# Altium PCB PCB_TEST.PcbDoc (part 3 of 6) (continued)
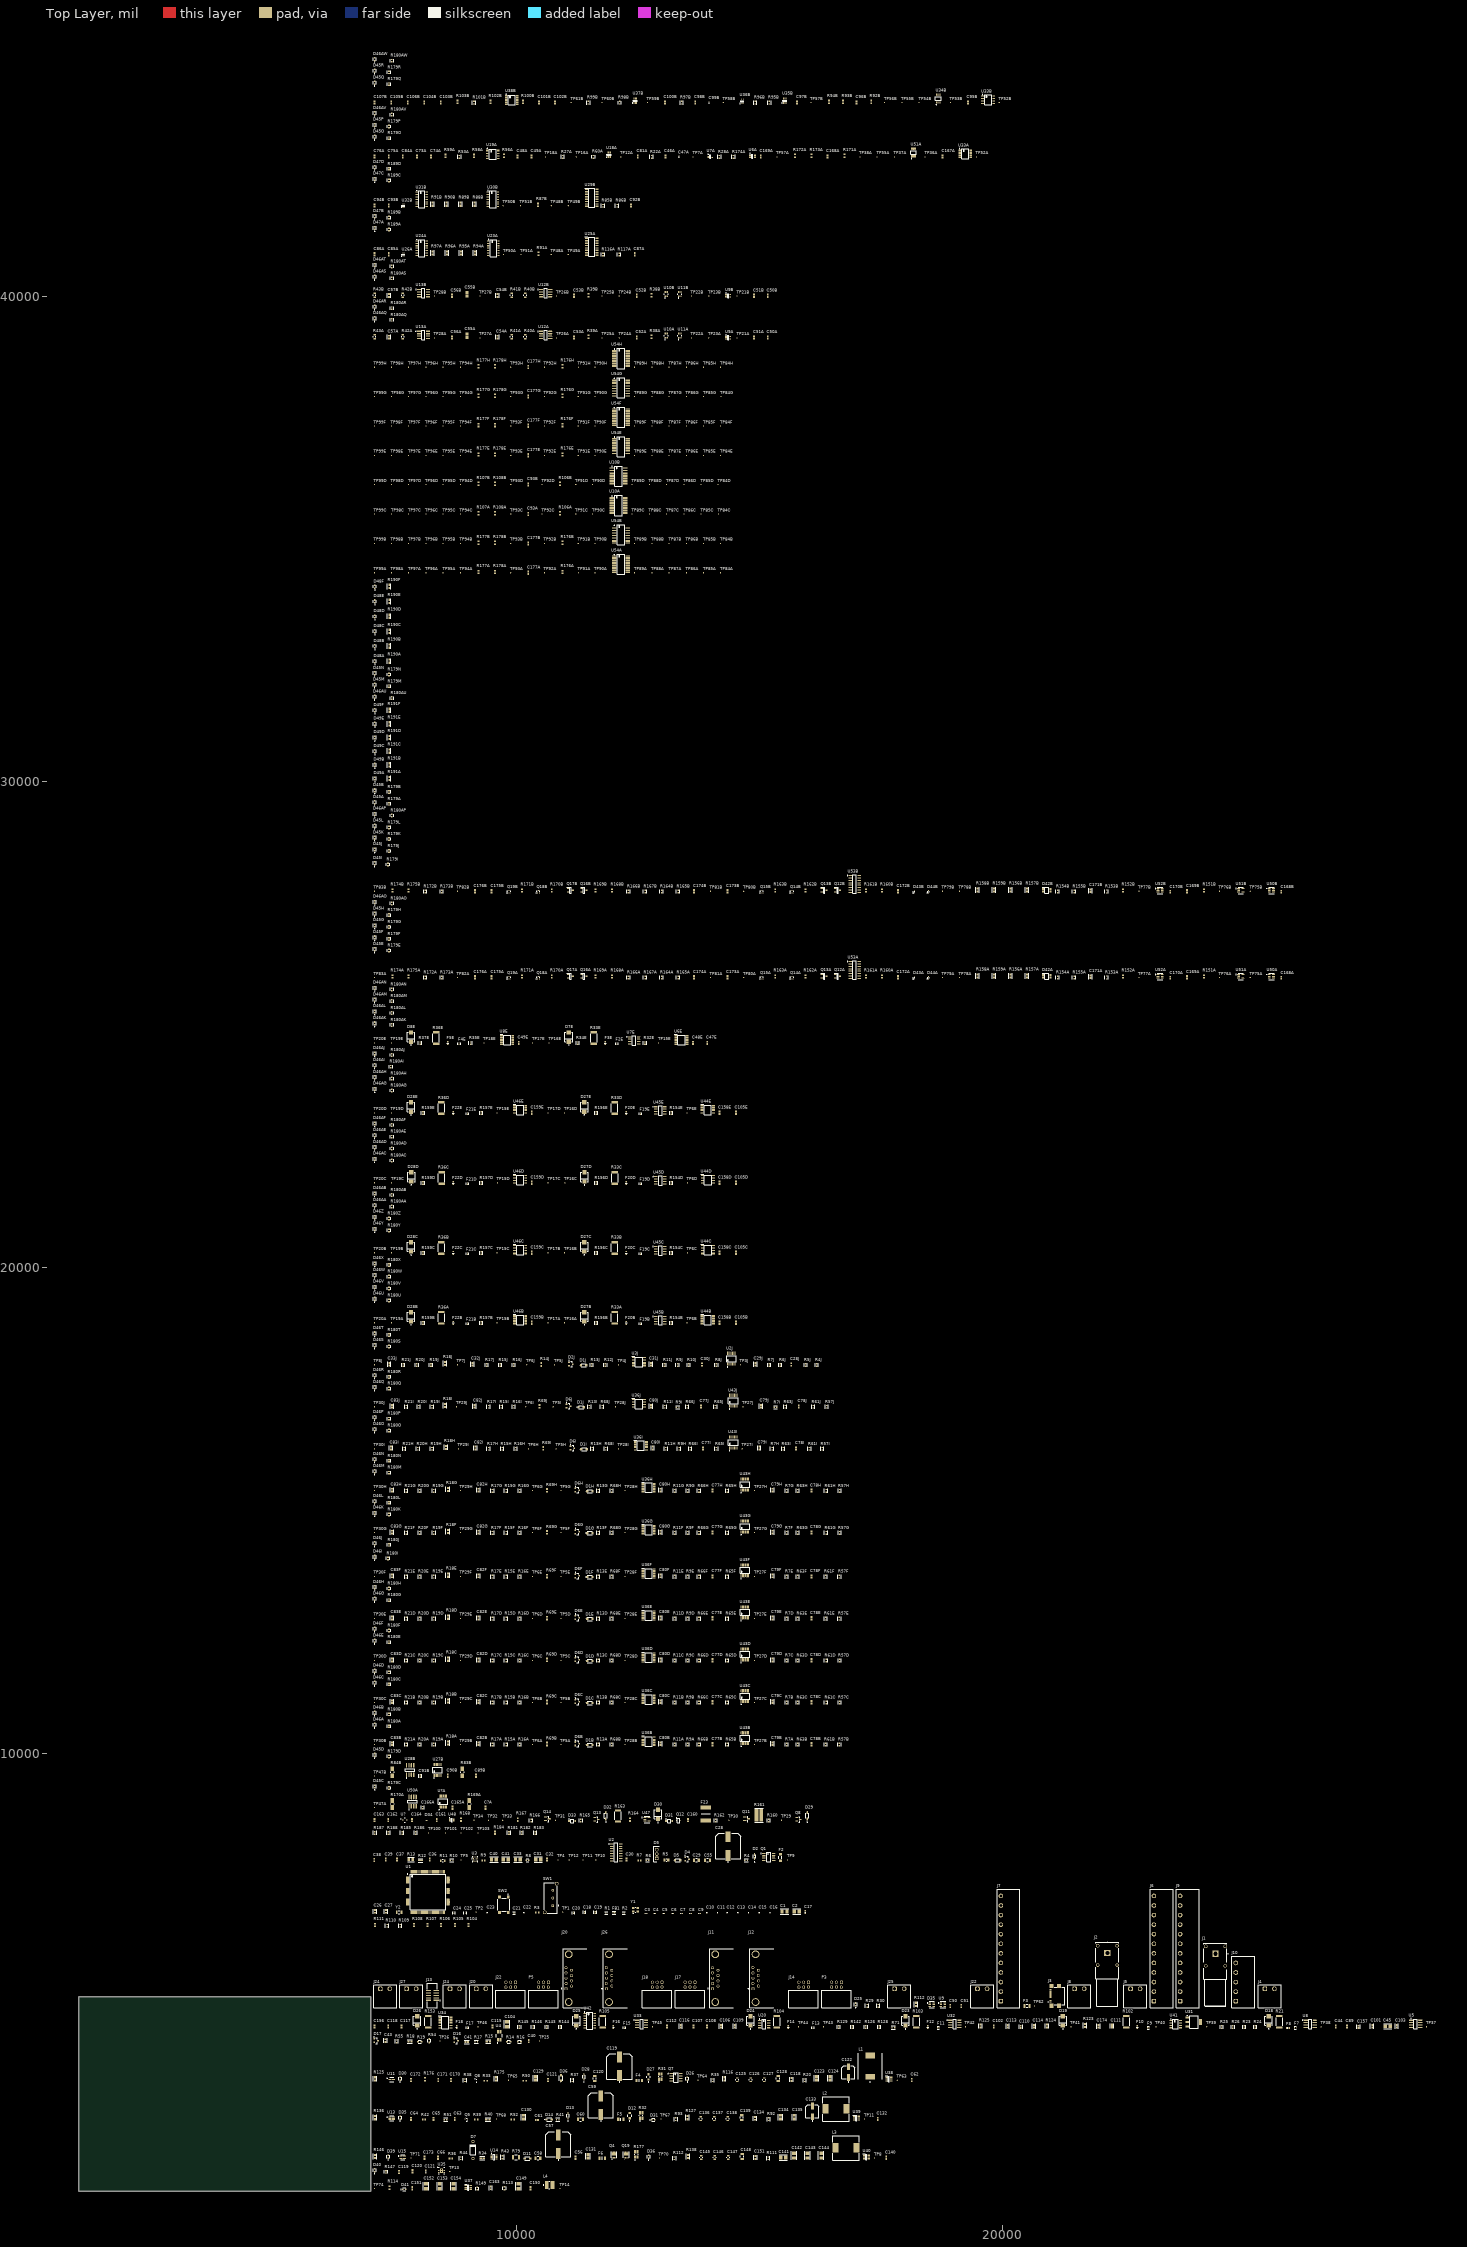
[diagram p0: Top Layer view]
## Components (designator, comment, footprint, x,y, rotation, side; value= is the part's Value field where it differs from the comment) (continued)
R180Y "CRCW0603680RJNEA" FP-CRCW0603-e3-IPC_C 7380,20770 r90 top value=680 (schematic designator R180)
R180Z "CRCW0603680RJNEA" FP-CRCW0603-e3-IPC_C 7380,21015 r90 top value=680 (schematic designator R180)
R181 "RT0603BRD0710K2L" FP-RT0603-IPC_C 9850,8370 r90 top value=10.2k
R182 "RT0603BRD0711K5L" FP-RT0603-IPC_C 10110,8370 r90 top value=11.5k
R183 "RT0603BRD0711K5L" FP-RT0603-IPC_C 10390,8370 r90 top value=11.5k
R184 "ERA-3AEB1132V" RESC1608X55X30NL20T20 9560,8375 r90 top value=11.3k
R185 "RT0603BRD073K4L" FP-RT0603-IPC_C 7650,8370 r90 top value=3.4k
R186 "RT0603BRD076K98L" FP-RT0603-IPC_C 7930,8370 r90 top value=6.98k
R187 "RT0603BRD073K57L" FP-RT0603-IPC_C 7090,8370 r90 top value=3.57k
R188 "RT0603BRD0710K2L" FP-RT0603-IPC_C 7370,8370 r90 top value=10.2k
R189A "CRCW0603680RJNEA" FP-CRCW0603-e3-IPC_C 7380,41370 r90 top value=680 (schematic designator R189)
R189B "CRCW0603680RJNEA" FP-CRCW0603-e3-IPC_C 7380,41615 r90 top value=680 (schematic designator R189)
R189C "CRCW0603680RJNEA" FP-CRCW0603-e3-IPC_C 7380,42380 r90 top value=680 (schematic designator R189)
R189D "CRCW0603680RJNEA" FP-CRCW0603-e3-IPC_C 7380,42620 r90 top value=680 (schematic designator R189)
R190A "CRGCQ0603J470R" FP-CRGCQ0603-IPC_A 7385,32485 r90 top value=470 (schematic designator R190)
R190B "CRGCQ0603J470R" FP-CRGCQ0603-IPC_A 7385,32795 r90 top value=470 (schematic designator R190)
R190C "CRGCQ0603J470R" FP-CRGCQ0603-IPC_A 7385,33100 r90 top value=470 (schematic designator R190)
R190D "CRGCQ0603J470R" FP-CRGCQ0603-IPC_A 7385,33410 r90 top value=470 (schematic designator R190)
R190E "CRGCQ0603J470R" FP-CRGCQ0603-IPC_A 7385,33715 r90 top value=470 (schematic designator R190)
R190F "CRGCQ0603J470R" FP-CRGCQ0603-IPC_A 7385,34025 r90 top value=470 (schematic designator R190)
R191A "CRGCQ0603F180R" FP-CRGCQ0603-IPC_A 7385,30070 r90 top value=180 (schematic designator R191)
R191B "CRGCQ0603F180R" FP-CRGCQ0603-IPC_A 7385,30350 r90 top value=180 (schematic designator R191)
R191C "CRGCQ0603F180R" FP-CRGCQ0603-IPC_A 7385,30635 r90 top value=180 (schematic designator R191)
R191D "CRGCQ0603F180R" FP-CRGCQ0603-IPC_A 7385,30915 r90 top value=180 (schematic designator R191)
R191E "CRGCQ0603F180R" FP-CRGCQ0603-IPC_A 7385,31195 r90 top value=180 (schematic designator R191)
R191F "CRGCQ0603F180R" FP-CRGCQ0603-IPC_A 7385,31475 r90 top value=180 (schematic designator R191)
SW1 "1825255-1" TECO-1825255-1_V 10710,7030 r90 top
SW2 "EVQ-Q2503W" FP-EVQ-Q2503W-MFG 9745,6890 r90 top
TP1 "TPAD6R" TP06R 10955,6740 r90 top
TP2 "TPAD6R" TP06R 9175,6740 r90 top
TP3J "TPAD6R" TP06R 14610,18005 r90 top (schematic designator TP3)
TP4 "TPAD6R" TP06R 10855,7815 r90 top (schematic designator TP13)
TP4J "TPAD6R" TP06R 12100,18005 r90 top (schematic designator TP4)
TP5 "TPAD6R" TP06R 8865,7815 r90 top (schematic designator TP14)
TP5A "TPAD6R" TP06R 10920,10190 r90 top (schematic designator TP5)
TP5B "TPAD6R" TP06R 10920,11055 r90 top (schematic designator TP5)
TP5C "TPAD6R" TP06R 10920,11920 r90 top (schematic designator TP5)
TP5D "TPAD6R" TP06R 10920,12785 r90 top (schematic designator TP5)
TP5E "TPAD6R" TP06R 10920,13650 r90 top (schematic designator TP5)
TP5F "TPAD6R" TP06R 10920,14550 r90 top (schematic designator TP5)
TP5G "TPAD6R" TP06R 10920,15415 r90 top (schematic designator TP5)
TP5H "TPAD6R" TP06R 10820,16275 r90 top (schematic designator TP5)
TP5I "TPAD6R" TP06R 10760,17140 r90 top (schematic designator TP5)
TP5J "TPAD6R" TP06R 10790,18005 r90 top (schematic designator TP5)
TP6A "TPAD6R" TP06R 10335,10190 r90 top (schematic designator TP6)
TP6B "TPAD6R" TP06R 13515,18870 r90 top (schematic designator TP15)
TP6B "TPAD6R" TP06R 10335,11055 r90 top (schematic designator TP6)
TP6C "TPAD6R" TP06R 13520,20310 r90 top (schematic designator TP15)
TP6C "TPAD6R" TP06R 10335,11920 r90 top (schematic designator TP6)
TP6D "TPAD6R" TP06R 13520,21750 r90 top (schematic designator TP15)
TP6D "TPAD6R" TP06R 10335,12785 r90 top (schematic designator TP6)
TP6E "TPAD6R" TP06R 13515,23190 r90 top (schematic designator TP15)
TP6E "TPAD6R" TP06R 10335,13650 r90 top (schematic designator TP6)
TP6F "TPAD6R" TP06R 10335,14550 r90 top (schematic designator TP6)
TP6G "TPAD6R" TP06R 10335,15415 r90 top (schematic designator TP6)
TP6H "TPAD6R" TP06R 10255,16275 r90 top (schematic designator TP6)
TP6I "TPAD6R" TP06R 10195,17140 r90 top (schematic designator TP6)
TP6J "TPAD6R" TP06R 10215,18005 r90 top (schematic designator TP6)
TP7A "TPAD6R" TP06R 13640,42865 r90 top (schematic designator TP58)
TP7J "TPAD6R" TP06R 8790,18005 r90 top (schematic designator TP7)
TP8 "TPAD6R" TP06R 17375,1680 r90 top (schematic designator TP69)
TP8J "TPAD6R" TP06R 7080,18005 r90 top (schematic designator TP8)
TP9 "TPAD6R" TP06R 15585,7815 r90 top
TP10 "TPAD6R" TP06R 11635,7815 r90 top
TP11 "TPAD6R" TP06R 17170,2480 r90 top (schematic designator TP66)
TP11 "TPAD6R" TP06R 11375,7815 r90 top
TP12 "TPAD6R" TP06R 11090,7815 r90 top
TP12A "TPAD6R" TP06R 12150,42865 r90 top (schematic designator TP59)
TP13 "TPAD6R" TP06R 8630,1400 r90 top (schematic designator TP72)
TP14 "TPAD6R" TP06R 10900,1050 r90 top (schematic designator TP73)
TP15B "TPAD6R" TP06R 9605,18870 r90 top (schematic designator TP18)
TP15C "TPAD6R" TP06R 9605,20310 r90 top (schematic designator TP18)
TP15D "TPAD6R" TP06R 9610,21750 r90 top (schematic designator TP18)
TP15E "TPAD6R" TP06R 9605,23190 r90 top (schematic designator TP18)
TP15E "TPAD6R" TP06R 12930,24630 r90 top (schematic designator TP15)
TP16A "TPAD6R" TP06R 10995,18870 r90 top (schematic designator TP16)
TP16A "TPAD6R" TP06R 11235,42865 r90 top (schematic designator TP60)
TP16B "TPAD6R" TP06R 10995,20310 r90 top (schematic designator TP16)
TP16C "TPAD6R" TP06R 11000,21750 r90 top (schematic designator TP16)
TP16D "TPAD6R" TP06R 10995,23190 r90 top (schematic designator TP16)
TP16E "TPAD6R" TP06R 10675,24630 r90 top (schematic designator TP16)
TP17A "TPAD6R" TP06R 10655,18870 r90 top (schematic designator TP17)
TP17B "TPAD6R" TP06R 10655,20310 r90 top (schematic designator TP17)
TP17C "TPAD6R" TP06R 10655,21750 r90 top (schematic designator TP17)
TP17D "TPAD6R" TP06R 10655,23190 r90 top (schematic designator TP17)
TP17E "TPAD6R" TP06R 10335,24630 r90 top (schematic designator TP17)
TP18A "TPAD6R" TP06R 10600,42865 r90 top (schematic designator TP61)
TP18E "TPAD6R" TP06R 9335,24630 r90 top (schematic designator TP18)
TP19A "TPAD6R" TP06R 7430,18870 r90 top (schematic designator TP19)
TP19B "TPAD6R" TP06R 7430,20310 r90 top (schematic designator TP19)
TP19C "TPAD6R" TP06R 7435,21750 r90 top (schematic designator TP19)
TP19D "TPAD6R" TP06R 7430,23190 r90 top (schematic designator TP19)
TP19E "TPAD6R" TP06R 7430,24630 r90 top (schematic designator TP19)
TP20A "TPAD6R" TP06R 7080,18870 r90 top (schematic designator TP20)
TP20B "TPAD6R" TP06R 7080,20310 r90 top (schematic designator TP20)
TP20C "TPAD6R" TP06R 7080,21750 r90 top (schematic designator TP20)
TP20D "TPAD6R" TP06R 7080,23190 r90 top (schematic designator TP20)
TP20E "TPAD6R" TP06R 7080,24630 r90 top (schematic designator TP20)
TP21A "TPAD6R" TP06R 14545,39140 r90 top (schematic designator TP21)
TP21B "TPAD6R" TP06R 14545,40000 r90 top (schematic designator TP21)
TP22A "TPAD6R" TP06R 13605,39140 r90 top (schematic designator TP22)
TP22B "TPAD6R" TP06R 13605,40000 r90 top (schematic designator TP22)
TP23A "TPAD6R" TP06R 13960,39140 r90 top (schematic designator TP23)
TP23B "TPAD6R" TP06R 13960,40000 r90 top (schematic designator TP23)
TP24A "TPAD6R" TP06R 12120,39140 r90 top (schematic designator TP24)
TP24B "TPAD6R" TP06R 12120,40000 r90 top (schematic designator TP24)
TP25 "TPAD6R" TP06R 10480,4085 r90 top (schematic designator TP35)
TP25A "TPAD6R" TP06R 11765,39140 r90 top (schematic designator TP25)
TP25B "TPAD6R" TP06R 11765,40000 r90 top (schematic designator TP25)
TP26 "TPAD6R" TP06R 8430,4085 r90 top (schematic designator TP36)
TP26A "TPAD6R" TP06R 10830,39140 r90 top (schematic designator TP26)
TP26B "TPAD6R" TP06R 10830,40000 r90 top (schematic designator TP26)
TP27A "TPAD6R" TP06R 9250,39140 r90 top (schematic designator TP27)
TP27B "TPAD6R" TP06R 14905,10190 r90 top (schematic designator TP3)
TP27B "TPAD6R" TP06R 9250,40000 r90 top (schematic designator TP27)
TP27C "TPAD6R" TP06R 14905,11055 r90 top (schematic designator TP3)
TP27D "TPAD6R" TP06R 14905,11920 r90 top (schematic designator TP3)
TP27E "TPAD6R" TP06R 14905,12785 r90 top (schematic designator TP3)
TP27F "TPAD6R" TP06R 14905,13650 r90 top (schematic designator TP3)
TP27G "TPAD6R" TP06R 14905,14550 r90 top (schematic designator TP3)
TP27H "TPAD6R" TP06R 14905,15415 r90 top (schematic designator TP3)
TP27I "TPAD6R" TP06R 14650,16275 r90 top (schematic designator TP3)
TP27J "TPAD6R" TP06R 14665,17140 r90 top (schematic designator TP3)
TP28A "TPAD6R" TP06R 8315,39140 r90 top (schematic designator TP28)
TP28B "TPAD6R" TP06R 12240,10190 r90 top (schematic designator TP4)
TP28B "TPAD6R" TP06R 8315,40000 r90 top (schematic designator TP28)
TP28C "TPAD6R" TP06R 12240,11055 r90 top (schematic designator TP4)
TP28D "TPAD6R" TP06R 12240,11920 r90 top (schematic designator TP4)
TP28E "TPAD6R" TP06R 12240,12785 r90 top (schematic designator TP4)
TP28F "TPAD6R" TP06R 12240,13650 r90 top (schematic designator TP4)
TP28G "TPAD6R" TP06R 12240,14550 r90 top (schematic designator TP4)
TP28H "TPAD6R" TP06R 12240,15415 r90 top (schematic designator TP4)
TP28I "TPAD6R" TP06R 12100,16275 r90 top (schematic designator TP4)
TP28J "TPAD6R" TP06R 12040,17140 r90 top (schematic designator TP4)
TP29 "TPAD6R" TP06R 15460,8630 r90 top
TP29B "TPAD6R" TP06R 8850,10190 r90 top (schematic designator TP7)
TP29C "TPAD6R" TP06R 8850,11055 r90 top (schematic designator TP7)
TP29D "TPAD6R" TP06R 8850,11920 r90 top (schematic designator TP7)
TP29E "TPAD6R" TP06R 8850,12785 r90 top (schematic designator TP7)
TP29F "TPAD6R" TP06R 8850,13650 r90 top (schematic designator TP7)
TP29G "TPAD6R" TP06R 8850,14550 r90 top (schematic designator TP7)
TP29H "TPAD6R" TP06R 8850,15415 r90 top (schematic designator TP7)
TP29I "TPAD6R" TP06R 8810,16275 r90 top (schematic designator TP7)
TP29J "TPAD6R" TP06R 8770,17140 r90 top (schematic designator TP7)
TP30 "TPAD6R" TP06R 14375,8630 r90 top
TP30B "TPAD6R" TP06R 7080,10190 r90 top (schematic designator TP8)
TP30C "TPAD6R" TP06R 7080,11055 r90 top (schematic designator TP8)
TP30D "TPAD6R" TP06R 7080,11920 r90 top (schematic designator TP8)
TP30E "TPAD6R" TP06R 7080,12785 r90 top (schematic designator TP8)
TP30F "TPAD6R" TP06R 7080,13650 r90 top (schematic designator TP8)
TP30G "TPAD6R" TP06R 7080,14550 r90 top (schematic designator TP8)
TP30H "TPAD6R" TP06R 7080,15415 r90 top (schematic designator TP8)
TP30I "TPAD6R" TP06R 7080,16275 r90 top (schematic designator TP8)
TP30J "TPAD6R" TP06R 7080,17140 r90 top (schematic designator TP8)
TP31 "TPAD6R" TP06R 10810,8630 r90 top
TP32 "TPAD6R" TP06R 9425,8630 r90 top
TP33 "TPAD6R" TP06R 9720,8630 r90 top
TP34 "TPAD6R" TP06R 9130,8630 r90 top
TP36A "TPAD6R" TP06R 18415,42865 r90 top (schematic designator TP53)
TP37 "TPAD6R" TP06R 28735,4380 r90 top
TP37A "TPAD6R" TP06R 17780,42865 r90 top (schematic designator TP54)
TP38 "TPAD6R" TP06R 26565,4380 r90 top
TP38A "TPAD6R" TP06R 17070,42865 r90 top (schematic designator TP56)
TP39 "TPAD6R" TP06R 24210,4380 r90 top
TP40 "TPAD6R" TP06R 23165,4380 r90 top
TP41 "TPAD6R" TP06R 21415,4380 r90 top
TP42 "TPAD6R" TP06R 19245,4380 r90 top
TP43 "TPAD6R" TP06R 16325,4380 r90 top
TP44 "TPAD6R" TP06R 15810,4380 r90 top
TP45 "TPAD6R" TP06R 12805,4380 r90 top
TP46 "TPAD6R" TP06R 9210,4380 r90 top
TP47A "TPAD6R" TP06R 7080,8890 r90 top (schematic designator TP47)
TP47B "TPAD6R" TP06R 7080,9540 r90 top (schematic designator TP47)
TP48A "TPAD6R" TP06R 10720,40855 r90 top (schematic designator TP48)
TP48B "TPAD6R" TP06R 10720,41860 r90 top (schematic designator TP48)
TP49A "TPAD6R" TP06R 11070,40855 r90 top (schematic designator TP49)
TP49B "TPAD6R" TP06R 11070,41860 r90 top (schematic designator TP49)
TP50A "TPAD6R" TP06R 9740,40855 r90 top (schematic designator TP50)
TP50B "TPAD6R" TP06R 9730,41860 r90 top (schematic designator TP50)
TP51A "TPAD6R" TP06R 10095,40855 r90 top (schematic designator TP51)
TP51B "TPAD6R" TP06R 10085,41860 r90 top (schematic designator TP51)
TP52A "TPAD6R" TP06R 19470,42865 r90 top (schematic designator TP52)
TP52B "TPAD6R" TP06R 19940,43980 r90 top (schematic designator TP52)
TP53B "TPAD6R" TP06R 18935,43980 r90 top (schematic designator TP53)
TP54B "TPAD6R" TP06R 18290,43980 r90 top (schematic designator TP54)
TP55A "TPAD6R" TP06R 17425,42865 r90 top (schematic designator TP55)
TP55B "TPAD6R" TP06R 17935,43980 r90 top (schematic designator TP55)
TP56B "TPAD6R" TP06R 17580,43980 r90 top (schematic designator TP56)
TP57A "TPAD6R" TP06R 15365,42865 r90 top (schematic designator TP57)
TP57B "TPAD6R" TP06R 16065,43980 r90 top (schematic designator TP57)
TP58B "TPAD6R" TP06R 14260,43980 r90 top (schematic designator TP58)
TP59B "TPAD6R" TP06R 12700,43980 r90 top (schematic designator TP59)
TP60B "TPAD6R" TP06R 11765,43980 r90 top (schematic designator TP60)
TP61B "TPAD6R" TP06R 11130,43980 r90 top (schematic designator TP61)
TP62 "TPAD6R" TP06R 20665,4810 r90 top
TP63 "TPAD6R" TP06R 17840,3280 r90 top
TP64 "TPAD6R" TP06R 13740,3280 r90 top
TP65 "TPAD6R" TP06R 9840,3280 r90 top
TP67 "TPAD6R" TP06R 12975,2480 r90 top
TP68 "TPAD6R" TP06R 9595,2480 r90 top
TP70 "TPAD6R" TP06R 12945,1680 r90 top
TP71 "TPAD6R" TP06R 7830,1680 r90 top
TP74 "TPAD6R" TP06R 7080,1050 r90 top
TP75A "TPAD6R" TP06R 25105,25975 r90 top (schematic designator TP75)
TP75B "TPAD6R" TP06R 25105,27750 r90 top (schematic designator TP75)
TP76A "TPAD6R" TP06R 24470,25975 r90 top (schematic designator TP76)
TP76B "TPAD6R" TP06R 24470,27750 r90 top (schematic designator TP76)
TP77A "TPAD6R" TP06R 22815,25975 r90 top (schematic designator TP77)
TP77B "TPAD6R" TP06R 22815,27750 r90 top (schematic designator TP77)
TP78A "TPAD6R" TP06R 19120,25975 r90 top (schematic designator TP78)
TP78B "TPAD6R" TP06R 19120,27750 r90 top (schematic designator TP78)
TP79A "TPAD6R" TP06R 18770,25975 r90 top (schematic designator TP79)
TP79B "TPAD6R" TP06R 18770,27750 r90 top (schematic designator TP79)
TP80A "TPAD6R" TP06R 14680,25975 r90 top (schematic designator TP80)
TP80B "TPAD6R" TP06R 14680,27750 r90 top (schematic designator TP80)
TP81A "TPAD6R" TP06R 13995,25975 r90 top (schematic designator TP81)
TP81B "TPAD6R" TP06R 13995,27750 r90 top (schematic designator TP81)
TP82A "TPAD6R" TP06R 8790,25975 r90 top (schematic designator TP82)
TP82B "TPAD6R" TP06R 8790,27750 r90 top (schematic designator TP82)
TP83A "TPAD6R" TP06R 7080,25975 r90 top (schematic designator TP83)
TP83B "TPAD6R" TP06R 7080,27750 r90 top (schematic designator TP83)
TP84A "TPAD6R" TP06R 14205,34305 r90 top (schematic designator TP84)
TP84B "TPAD6R" TP06R 14205,34910 r90 top (schematic designator TP84)
TP84C "TPAD6R" TP06R 14160,35515 r90 top (schematic designator TP84)
TP84D "TPAD6R" TP06R 14155,36120 r90 top (schematic designator TP84)
TP84E "TPAD6R" TP06R 14205,36720 r90 top (schematic designator TP84)
TP84F "TPAD6R" TP06R 14205,37325 r90 top (schematic designator TP84)
TP84G "TPAD6R" TP06R 14210,37930 r90 top (schematic designator TP84)
TP84H "TPAD6R" TP06R 14205,38535 r90 top (schematic designator TP84)
TP85A "TPAD6R" TP06R 13855,34305 r90 top (schematic designator TP85)
TP85B "TPAD6R" TP06R 13855,34910 r90 top (schematic designator TP85)
TP85C "TPAD6R" TP06R 13805,35515 r90 top (schematic designator TP85)
TP85D "TPAD6R" TP06R 13805,36120 r90 top (schematic designator TP85)
TP85E "TPAD6R" TP06R 13855,36720 r90 top (schematic designator TP85)
TP85F "TPAD6R" TP06R 13855,37325 r90 top (schematic designator TP85)
TP85G "TPAD6R" TP06R 13855,37930 r90 top (schematic designator TP85)
TP85H "TPAD6R" TP06R 13855,38535 r90 top (schematic designator TP85)
TP86A "TPAD6R" TP06R 13500,34305 r90 top (schematic designator TP86)
TP86B "TPAD6R" TP06R 13500,34910 r90 top (schematic designator TP86)
TP86C "TPAD6R" TP06R 13450,35515 r90 top (schematic designator TP86)
TP86D "TPAD6R" TP06R 13450,36120 r90 top (schematic designator TP86)
TP86E "TPAD6R" TP06R 13500,36720 r90 top (schematic designator TP86)
TP86F "TPAD6R" TP06R 13500,37325 r90 top (schematic designator TP86)
TP86G "TPAD6R" TP06R 13500,37930 r90 top (schematic designator TP86)
TP86H "TPAD6R" TP06R 13500,38535 r90 top (schematic designator TP86)
TP87A "TPAD6R" TP06R 13145,34305 r90 top (schematic designator TP87)
TP87B "TPAD6R" TP06R 13145,34910 r90 top (schematic designator TP87)
TP87C "TPAD6R" TP06R 13095,35515 r90 top (schematic designator TP87)
TP87D "TPAD6R" TP06R 13095,36120 r90 top (schematic designator TP87)
TP87E "TPAD6R" TP06R 13145,36720 r90 top (schematic designator TP87)
TP87F "TPAD6R" TP06R 13145,37325 r90 top (schematic designator TP87)
TP87G "TPAD6R" TP06R 13145,37930 r90 top (schematic designator TP87)
TP87H "TPAD6R" TP06R 13145,38535 r90 top (schematic designator TP87)
TP88A "TPAD6R" TP06R 12790,34305 r90 top (schematic designator TP88)
TP88B "TPAD6R" TP06R 12790,34910 r90 top (schematic designator TP88)
TP88C "TPAD6R" TP06R 12740,35515 r90 top (schematic designator TP88)
TP88D "TPAD6R" TP06R 12740,36120 r90 top (schematic designator TP88)
TP88E "TPAD6R" TP06R 12790,36720 r90 top (schematic designator TP88)
TP88F "TPAD6R" TP06R 12790,37325 r90 top (schematic designator TP88)
TP88G "TPAD6R" TP06R 12790,37930 r90 top (schematic designator TP88)
TP88H "TPAD6R" TP06R 12790,38535 r90 top (schematic designator TP88)
TP89A "TPAD6R" TP06R 12435,34305 r90 top (schematic designator TP89)
TP89B "TPAD6R" TP06R 12435,34910 r90 top (schematic designator TP89)
TP89C "TPAD6R" TP06R 12385,35515 r90 top (schematic designator TP89)
TP89D "TPAD6R" TP06R 12385,36120 r90 top (schematic designator TP89)
TP89E "TPAD6R" TP06R 12435,36720 r90 top (schematic designator TP89)
TP89F "TPAD6R" TP06R 12435,37325 r90 top (schematic designator TP89)
TP89G "TPAD6R" TP06R 12435,37930 r90 top (schematic designator TP89)
TP89H "TPAD6R" TP06R 12435,38535 r90 top (schematic designator TP89)
TP90A "TPAD6R" TP06R 11620,34305 r90 top (schematic designator TP90)
TP90B "TPAD6R" TP06R 11620,34910 r90 top (schematic designator TP90)
TP90C "TPAD6R" TP06R 11570,35515 r90 top (schematic designator TP90)
TP90D "TPAD6R" TP06R 11570,36120 r90 top (schematic designator TP90)
TP90E "TPAD6R" TP06R 11620,36720 r90 top (schematic designator TP90)
TP90F "TPAD6R" TP06R 11620,37325 r90 top (schematic designator TP90)
TP90G "TPAD6R" TP06R 11620,37930 r90 top (schematic designator TP90)
TP90H "TPAD6R" TP06R 11620,38535 r90 top (schematic designator TP90)
TP91A "TPAD6R" TP06R 11275,34305 r90 top (schematic designator TP91)
TP91B "TPAD6R" TP06R 11275,34910 r90 top (schematic designator TP91)
TP91C "TPAD6R" TP06R 11225,35515 r90 top (schematic designator TP91)
TP91D "TPAD6R" TP06R 11225,36120 r90 top (schematic designator TP91)
TP91E "TPAD6R" TP06R 11275,36720 r90 top (schematic designator TP91)
TP91F "TPAD6R" TP06R 11275,37325 r90 top (schematic designator TP91)
TP91G "TPAD6R" TP06R 11275,37930 r90 top (schematic designator TP91)
TP91H "TPAD6R" TP06R 11275,38535 r90 top (schematic designator TP91)
TP92A "TPAD6R" TP06R 10580,34305 r90 top (schematic designator TP92)
TP92B "TPAD6R" TP06R 10580,34910 r90 top (schematic designator TP92)
TP92C "TPAD6R" TP06R 10530,35515 r90 top (schematic designator TP92)
TP92D "TPAD6R" TP06R 10530,36120 r90 top (schematic designator TP92)
TP92E "TPAD6R" TP06R 10580,36720 r90 top (schematic designator TP92)
TP92F "TPAD6R" TP06R 10580,37325 r90 top (schematic designator TP92)
TP92G "TPAD6R" TP06R 10580,37930 r90 top (schematic designator TP92)
TP92H "TPAD6R" TP06R 10580,38535 r90 top (schematic designator TP92)
TP93A "TPAD6R" TP06R 9885,34305 r90 top (schematic designator TP93)
TP93B "TPAD6R" TP06R 9885,34910 r90 top (schematic designator TP93)
TP93C "TPAD6R" TP06R 9885,35515 r90 top (schematic designator TP93)
TP93D "TPAD6R" TP06R 9885,36120 r90 top (schematic designator TP93)
TP93E "TPAD6R" TP06R 9885,36720 r90 top (schematic designator TP93)
TP93F "TPAD6R" TP06R 9885,37325 r90 top (schematic designator TP93)
TP93G "TPAD6R" TP06R 9885,37930 r90 top (schematic designator TP93)
TP93H "TPAD6R" TP06R 9885,38535 r90 top (schematic designator TP93)
TP94A "TPAD6R" TP06R 8850,34305 r90 top (schematic designator TP94)
TP94B "TPAD6R" TP06R 8850,34910 r90 top (schematic designator TP94)
TP94C "TPAD6R" TP06R 8850,35515 r90 top (schematic designator TP94)
TP94D "TPAD6R" TP06R 8850,36120 r90 top (schematic designator TP94)
TP94E "TPAD6R" TP06R 8850,36720 r90 top (schematic designator TP94)
TP94F "TPAD6R" TP06R 8850,37325 r90 top (schematic designator TP94)
TP94G "TPAD6R" TP06R 8850,37930 r90 top (schematic designator TP94)
TP94H "TPAD6R" TP06R 8850,38535 r90 top (schematic designator TP94)
TP95A "TPAD6R" TP06R 8495,34305 r90 top (schematic designator TP95)
TP95B "TPAD6R" TP06R 8495,34910 r90 top (schematic designator TP95)
TP95C "TPAD6R" TP06R 8495,35515 r90 top (schematic designator TP95)
TP95D "TPAD6R" TP06R 8495,36120 r90 top (schematic designator TP95)
TP95E "TPAD6R" TP06R 8495,36720 r90 top (schematic designator TP95)
TP95F "TPAD6R" TP06R 8495,37325 r90 top (schematic designator TP95)
TP95G "TPAD6R" TP06R 8495,37930 r90 top (schematic designator TP95)
TP95H "TPAD6R" TP06R 8495,38535 r90 top (schematic designator TP95)
TP96A "TPAD6R" TP06R 8140,34305 r90 top (schematic designator TP96)
TP96B "TPAD6R" TP06R 8140,34910 r90 top (schematic designator TP96)
TP96C "TPAD6R" TP06R 8140,35515 r90 top (schematic designator TP96)
TP96D "TPAD6R" TP06R 8140,36120 r90 top (schematic designator TP96)
TP96E "TPAD6R" TP06R 8140,36720 r90 top (schematic designator TP96)
TP96F "TPAD6R" TP06R 8140,37325 r90 top (schematic designator TP96)
TP96G "TPAD6R" TP06R 8140,37930 r90 top (schematic designator TP96)
TP96H "TPAD6R" TP06R 8140,38535 r90 top (schematic designator TP96)
TP97A "TPAD6R" TP06R 7785,34305 r90 top (schematic designator TP97)
TP97B "TPAD6R" TP06R 7785,34910 r90 top (schematic designator TP97)
TP97C "TPAD6R" TP06R 7785,35515 r90 top (schematic designator TP97)
TP97D "TPAD6R" TP06R 7785,36120 r90 top (schematic designator TP97)
TP97E "TPAD6R" TP06R 7785,36720 r90 top (schematic designator TP97)
TP97F "TPAD6R" TP06R 7785,37325 r90 top (schematic designator TP97)
TP97G "TPAD6R" TP06R 7785,37930 r90 top (schematic designator TP97)
TP97H "TPAD6R" TP06R 7785,38535 r90 top (schematic designator TP97)
TP98A "TPAD6R" TP06R 7430,34305 r90 top (schematic designator TP98)
TP98B "TPAD6R" TP06R 7430,34910 r90 top (schematic designator TP98)
TP98C "TPAD6R" TP06R 7435,35515 r90 top (schematic designator TP98)
TP98D "TPAD6R" TP06R 7430,36120 r90 top (schematic designator TP98)
TP98E "TPAD6R" TP06R 7430,36720 r90 top (schematic designator TP98)
TP98F "TPAD6R" TP06R 7430,37325 r90 top (schematic designator TP98)
TP98G "TPAD6R" TP06R 7435,37930 r90 top (schematic designator TP98)
TP98H "TPAD6R" TP06R 7430,38535 r90 top (schematic designator TP98)
TP99A "TPAD6R" TP06R 7080,34305 r90 top (schematic designator TP99)
TP99B "TPAD6R" TP06R 7080,34910 r90 top (schematic designator TP99)
TP99C "TPAD6R" TP06R 7080,35515 r90 top (schematic designator TP99)
TP99D "TPAD6R" TP06R 7080,36120 r90 top (schematic designator TP99)
TP99E "TPAD6R" TP06R 7080,36720 r90 top (schematic designator TP99)
TP99F "TPAD6R" TP06R 7080,37325 r90 top (schematic designator TP99)
TP99G "TPAD6R" TP06R 7080,37930 r90 top (schematic designator TP99)
TP99H "TPAD6R" TP06R 7080,38535 r90 top (schematic designator TP99)
TP100 "TPAD6R" TP06R 8195,8370 r90 top
TP101 "TPAD6R" TP06R 8540,8370 r90 top
TP102 "TPAD6R" TP06R 8865,8370 r90 top
TP103 "TPAD6R" TP06R 9210,8370 r90 top
U1 "STM32F446ZET6U" STM-LQFP144_N 8180,7155 r0 top
U2 "MC74HC238ADR2G" FP-751B-05-IPC_C 12055,7970 r0 top (schematic designator U4)
U2J "LM2901PWR" FP-PW0014A-IPC_B 14425,18130 r90 top (schematic designator U2)
U3 "TPS2121RUXT" FP-RUX0012A-MFG 9155,7830 r0 top (schematic designator U5)
U3J "74HC151PW,118" SOP65P640X110-16N 12525,18065 r0 top (schematic designator U3)
U4 "TLV9062IDGKR" FP-DGK0008A-IPC_A 9650,4195 r90 top (schematic designator U17)
U5 "LT1763CS8-5#PBF" LT-S8-8_N 28510,4440 r0 top (schematic designator U18)
U6A "SN74LVC1T45DCKR" DCK0006A_M 14860,42880 r0 top (schematic designator U35)
U6E "TMUX4052PWR" SOP65P640X120-16N 13400,24690 r0 top (schematic designator U6)
U7A "TPD2E001DRLR" DRL0005A_M 13990,42870 r0 top value=1.5pF (schematic designator U36)
U7E "OPA2990IDR" FP-D0008A-IPC_C 12425,24680 r0 top (schematic designator U7)
U8 "OPA2196ID" FP-D0008A-IPC_B 26340,4440 r0 top (schematic designator U19)
U8E "TMUX4052PWR" SOP65P640X120-16N 9810,24690 r0 top (schematic designator U8)
U9 "IP4234CZ6,125" Nexperia_SOT457_IPC_C 18780,4835 r0 top (schematic designator U40)
U9A "SN74LVC1G04DCKR" DCK0005A_N 14360,39145 r0 top (schematic designator U9)
U9B "SN74LVC1G04DCKR" DCK0005A_N 14360,40005 r0 top (schematic designator U9)
U10A "SN74LVC1G3157DCKR" FP-DCK0006A-MFG 13085,39185 r90 top value=15Ω (schematic designator U10)
U10A "MCP23017-E/SS" SSOP-SS28_M 12105,35690 r0 top (schematic designator U54)
U10B "MCP23017-E/SS" SSOP-SS28_M 12105,36295 r0 top (schematic designator U54)
U10B "SN74LVC1G3157DCKR" FP-DCK0006A-MFG 13085,40040 r90 top value=15Ω (schematic designator U10)
U11 "INA181A3IDCKR" FP-DCK0006A-IPC_A 7435,3295 r0 top (schematic designator U42)
U11A "SN74LVC1G3157DCKR" FP-DCK0006A-MFG 13365,39185 r90 top value=15Ω (schematic designator U11)
U11B "SN74LVC1G3157DCKR" FP-DCK0006A-MFG 13365,40040 r90 top value=15Ω (schematic designator U11)
U12A "TLV3501AID" FP-D0008A-IPC_B 10605,39200 r0 top (schematic designator U12)
U12B "TLV3501AID" FP-D0008A-IPC_B 10605,40060 r0 top (schematic designator U12)
U13 "INA181A3IDCKR" FP-DCK0006A-IPC_A 7435,2495 r0 top (schematic designator U44)
U13A "TLV3501AID" FP-D0008A-IPC_B 8090,39200 r0 top (schematic designator U13)
U13B "TLV3501AID" FP-D0008A-IPC_B 8090,40060 r0 top (schematic designator U13)
U14 "LTC4365CTS8#TRPBF" LT-TS8-8-TSOT-23_V 9540,1700 r0 top (schematic designator U46)
U15 "INA181A3IDCKR" FP-DCK0006A-IPC_A 7665,1695 r0 top (schematic designator U47)
U18A "SN74LVC1T45DCKR" DCK0006A_M 11910,42905 r90 top (schematic designator U37)
U19A "TRSF3221EIPWR" PW0016A_L 9515,42920 r0 top (schematic designator U38)
U20 "ADR4550ARZ" ADI-R-8_L 15100,4435 r0 top (schematic designator U23)
U23A "SN74LVC125AQDRQ1" D0014A_L 9530,40985 r0 top (schematic designator U30)
U24A "SN74LVC125AQDRQ1" D0014A_L 8055,40985 r0 top (schematic designator U31)
U25A "74HC138D,653" SOIC127P600X175-16N 11550,41015 r0 top (schematic designator U29)
U26A "TPD4E1B06DRLR" SOTFL50P160X60-6N 7675,40855 r90 top (schematic designator U32)
U27B "TMUX1511PWR" FP-PW0014A-IPC_B 8380,9665 r90 top (schematic designator U27)
U28B "SN65HVD230DR" FP-D0008A-IPC_A 7815,9665 r90 top (schematic designator U28)
U29B "74HC138D,653" SOIC127P600X175-16N 11550,42020 r0 top (schematic designator U29)
U30B "SN74LVC125AQDRQ1" D0014A_L 9520,41990 r0 top (schematic designator U30)
U31 "LT3080EST#PBF" LT-ST-3-SOT-223_M 23945,4480 r0 top (schematic designator U21)
U31B "SN74LVC125AQDRQ1" D0014A_L 8055,41990 r0 top (schematic designator U31)
U32 "OPA2196ID" FP-D0008A-IPC_B 19025,4440 r0 top (schematic designator U22)
U32B "TPD4E1B06DRLR" SOTFL50P160X60-6N 7675,41860 r90 top (schematic designator U32)
U33 "OPA2196ID" FP-D0008A-IPC_B 12580,4440 r0 top (schematic designator U24)
U33A "SN74LVC00AQPWRQ1" PW0014A_N 19240,42930 r0 top (schematic designator U33)
U33B "SN74LVC00AQPWRQ1" PW0014A_N 19710,44040 r0 top (schematic designator U33)
U34 "MCP48CVB28T-20E_ST" SOP65P640X120-20N 8540,4470 r0 top (schematic designator U26)
U34B "TMUX1204DGSR" FP-DGS0010A-IPC_C 18685,44065 r90 top value=9Ω (schematic designator U34)
U35 "LD39050PU33R" DFN6D_L 8460,1420 r0 top (schematic designator U48)
U35B "SN74LVC1T45DCKR" DCK0006A_M 15525,44020 r90 top (schematic designator U35)
U36B "TPD2E001DRLR" DRL0005A_M 14650,44005 r90 top value=1.5pF (schematic designator U36)
U36B "74HC151PW,118" SOP65P640X110-16N 12725,10255 r0 top (schematic designator U3)
U36C "74HC151PW,118" SOP65P640X110-16N 12725,11120 r0 top (schematic designator U3)
U36D "74HC151PW,118" SOP65P640X110-16N 12725,11980 r0 top (schematic designator U3)
U36E "74HC151PW,118" SOP65P640X110-16N 12725,12845 r0 top (schematic designator U3)
U36F "74HC151PW,118" SOP65P640X110-16N 12725,13710 r0 top (schematic designator U3)
U36G "74HC151PW,118" SOP65P640X110-16N 12725,14610 r0 top (schematic designator U3)